# KiCad board raven.kicad_pcb (continued)
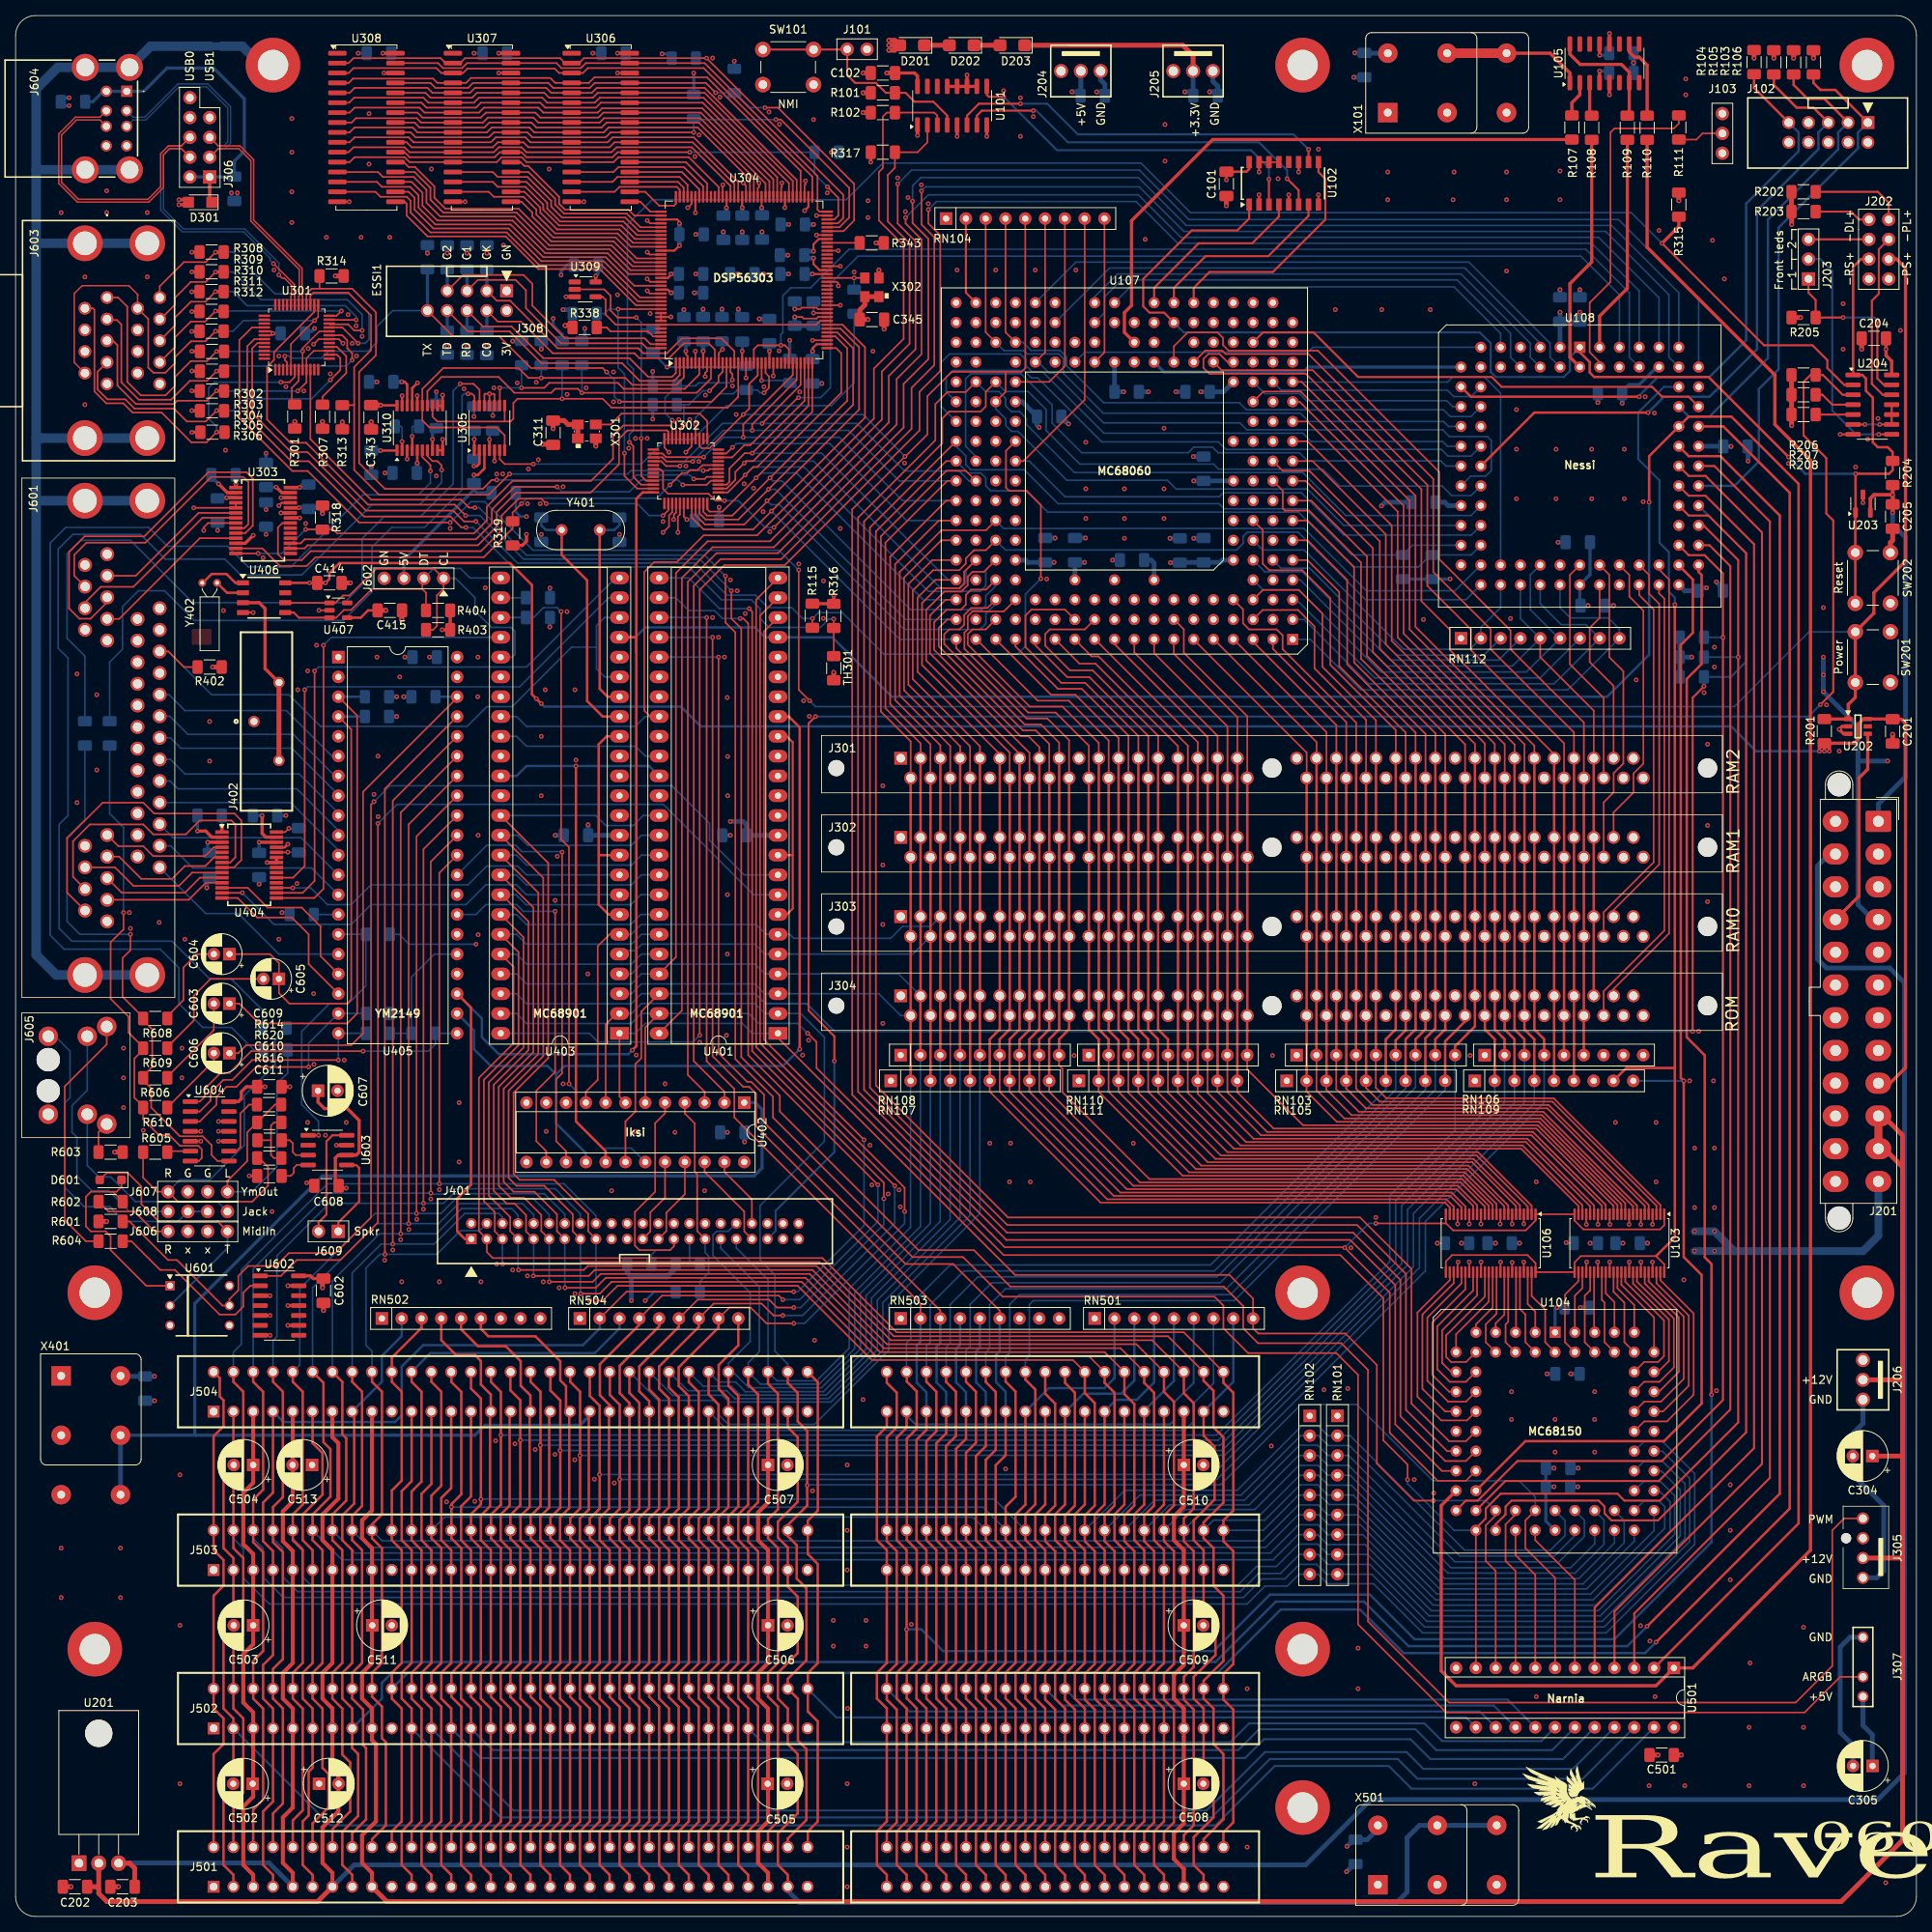
[diagram p0: board, top side]
## Routing (per net, layer and track width the routed paths; a pad name or vN(x,y) marks a point on that pad's centre or on a via; arc(x,y) is an arc through that point) (continued)
  Bottom w0.203: R407.1 87.78,81.43 88.9,82.55 88.9,84.71 88.45,85.16 J401.31
/Local16/IDE:~{CS0}: length 12.4
  Top w0.203: 94.45,86.9 93.47,87.88 93.47,90.42 88.39,95.5 U402.22
/Local16/IDE:~{CS1}: length 9.6
  Top w0.203: 94.45,88.65 94.45,91.98 90.93,95.5 U402.23
/Local16/IDE:~{RDY}: length 31.8
  Top w0.203: U402.5 83.31,103.03 82.04,101.76 82.04,92.96 79.45,90.37 79.45,86.05 80.03,85.47 83.95,85.47 84.45,85.98 J401.27
  Bottom w0.203: J401.27 84.45,85.98 83.95,85.47 82.17,85.47 81.56,84.86 R406.2
/Local16/IDE:~{RD}: length 11.3
  Top w0.203: 82.45,86.9 83.47,87.92 83.47,90.27 85.85,92.65 U402.21
/Local16/IDE:~{WR}: length 11.1
  Top w0.203: U402.20 83.31,92.2 81.43,90.32 81.43,87.88 80.45,86.9
/Local16/MFP1:CD: length 72.1
  Top w0.203: v1(37.08,157.35) 37.08,134.75 35.59,133.25 U404.19
  Bottom w0.203: U403.23 76.07,169.16 64.64,157.73 37.46,157.73 v1(37.08,157.35)
/Local16/MFP1:CTS: length 76
  Top w0.203: v1(38.35,159.77) 38.35,132.84 36.81,131.3 U404.16
  Bottom w0.203: v1(38.35,159.77) 38.86,160.27 65.53,160.27 76.96,171.7
/Local16/MFP1:RI: length 60.9
  Top w0.203: v1(39.5,163.07) 39.5,131.83 38.32,130.65 U404.15
  Bottom w0.203: U403.28 40.51,164.08 v1(39.5,163.07)
/Local16/MFP1:SI: length 47.4
  Top w0.203: v1(35.56,131.95) 33.47,131.95
  Bottom w0.203: v1(35.56,131.95) 37.85,131.95 40.01,129.79 43.05,129.79 45.59,132.33 58.04,132.33 60.45,134.75 64.39,134.75 65.53,133.6 U403.9
/Local16/MFP1:SO: length 55.3
  Top w0.203: v1(29.08,131.32) 29.06,131.3 U404.13
  Bottom w0.203: v1(29.08,131.32) 33.15,127.25 43.05,127.25 45.59,129.79 57.79,129.79 60.32,132.33 64.26,132.33 65.53,131.06 U403.8
/Local16/MFP1:~{IEO}: length 21.4
  Bottom w0.203: U401.34 80.77,148.84 79.5,150.11 65.53,150.11 64.26,151.38 U403.33
/Local16/YM:BC1: length 56
  Top w0.203: v1(70.1,136.53) 70.1,108.15 69.34,107.38 69.34,99.44 70.61,98.17 U402.15
  Bottom w0.203: U405.29 60.45,137.41 64.13,137.41 64.95,136.6 70.03,136.6 v1(70.1,136.53)
/Local16/YM:BDIR: length 47.1
  Top w0.203: v1(69.22,128.93) 69.22,108.33 66.8,105.92 66.8,99.44 68.07,98.17 U402.14
  Bottom w0.203: U405.27 59.05,128.52 60.32,129.79 64.26,129.79 65.13,128.93 v1(69.22,128.93)
/Local16/YM:DTR: length 21.7
  Top w0.203: U405.17 39.12,123.19 39.12,127 36.7,129.41 32.32,129.41 29.79,131.95 26.47,131.95
/Local16/YM:RTS: length 22.2
  Top w0.203: U404.14 28.48,130.65 30.99,128.14 35.43,128.14 37.59,125.98 37.59,122.17 U405.18
/Local32/AUDIO_ADC_L: length 103.6
  Top w0.203: v1(57.02,196.6) 58.76,196.6 59.52,195.83 59.52,193.95
  Bottom w0.203: C333.1 8.89,161.67 6.6,163.96 6.6,174.75 8.38,176.53 14.73,176.53 22.73,168.53 42.16,168.53 44.45,170.82 44.45,176.74 47.29,179.58 51.94,179.58 56.13,183.77 56.13,195.71 v1(57.02,196.6)
/Local32/AUDIO_ADC_R: length 86.6
  Top w0.203: 58.87,193.95 58.87,195.01 58.55,195.33 v1(58.04,195.33)
  Bottom w0.203: C334.1 12.06,160.91 13.72,162.56 13.72,168.02 15.75,170.05 19.11,170.05 22.92,166.24 42.04,166.24 45.72,169.93 45.72,175.64 48.26,178.18 52.45,178.18 57.28,183.01 57.28,195.07 57.53,195.33 v1(58.04,195.33)
/Local32/PCAP: length 3.2
  Top w0.203: U304.46 v1(102.36,205.69)
  Bottom w0.203: v1(102.36,205.69) C338.2
/Local32/UART1:CTSB: length 58.7
  Top w0.203: U302.23 83.73,190.46 83.57,190.63 78.49,190.63 77.41,189.55 77.41,186.28 73.75,182.63 64.2,182.63 61.72,180.15 61.72,178.31 59.31,175.9 37.46,175.9 37.07,175.5 U303.16
/Local32/UART1:RTSB: length 67.4
  Top w0.203: R318.2 40.77,177.9 41.25,177.42 58.8,177.42 60.45,179.07 60.45,180.85 63.75,184.15 73.8,184.15 76.64,186.99 76.64,189.92 77.98,191.26 83.95,191.26 84.23,190.98 U302.22 ; v1(31.12,174.85) U303.14 ; v1(37.21,177.93) 39.34,177.93
  Bottom w0.203: v1(37.21,177.93) 34.13,174.85 v1(31.12,174.85)
/Local32/UART1:RXB: length 60.3
  Top w0.203: v1(85.6,183.64) 88.65,183.64 89.17,184.17 U302.4 ; v1(69.47,183.39) 64.01,183.39 61.09,180.47 61.09,178.69 59.05,176.66 37.08,176.66 36.57,176.15 U303.17
  Bottom w0.203: v1(69.47,183.39) 70.1,182.75 78.74,182.75 80.26,184.28 84.96,184.28 v1(85.6,183.64)
/Local32/UART1:TXB: length 69.4
  Top w0.203: U302.8 88.13,186.17 87.5,185.55 86.53,185.55 86.15,185.17 85.47,185.17 v1(83.95,183.64) ; v1(64.9,181.23) 63.75,180.09 R319.2 63.75,178.05 60.07,174.37 38.48,174.37 37.34,173.23 33.91,173.23 31.64,175.5 U303.13
  Bottom w0.203: v1(64.9,181.23) 65.6,181.93 82.23,181.93 v1(83.95,183.64)
/Local32/UART1_CLK: length 17.5
  Top w0.203: 74.43,191.39 76.33,191.39 77.73,192.79 87.76,192.79 88.73,191.81 U302.13
/Local32/UART1_CONN: length 62.1
  Top w0.203: U302.38 83.73,180.38 v1(83.06,179.71) ; v1(68.07,181.23) 67.44,181.86 64.52,181.86 62.36,179.71 62.36,177.8 59.69,175.13 37.85,175.13 36.7,173.99 34.42,173.99 33.66,174.75 33.66,178.18 34.22,178.75 35.25,178.75
  Bottom w0.203: v1(68.07,181.23) 79.75,181.23 81.27,179.71 v1(83.06,179.71)
/Local32/~{CKBD_BL}: length 10.2
  Top w0.203: U301.16 41.24,201.33 42.42,200.15 42.42,197.99 39.37,194.95 R307.2
/Misc/AUDIO_SPK_M: length 14.9
  Top w0.254: J609.2 38.86,89.03 39.88,90.04 39.88,99.44 40.64,100.2 U603.8
/Misc/AUDIO_SPK_P: length 11
  Top w0.254: U603.5 43.69,96.39 44.07,96.01 44.07,91.69 41.4,89.03 J609.1
/Misc/SHIELD: length 205.8
  Bottom w1.219: 2.64,189.64 3.35,189.64 3.36,189.64 J603.MH4 J603.MH2 ; 2.64,189.64 2.64,181.61 ; 2.64,189.64 2.64,214.53 ; J603.MH1 J603.MH3 2.74,214.63 2.64,214.53 ; 2.64,224.03 2.64,214.53 ; 2.64,224.03 2.64,234.44 5.4,237.2 J604.3 J604.1 17.31,239.9 NT601.2 ; 2.64,224.03 2.68,224.06 J604.4 J604.2 ; 2.64,181.61 J601.MH3 J601.MH1 ; 2.64,181.61 2.64,123.34 5.21,120.77 J601.MH4 J601.MH2
/Power/HDDLED+: length 7.3
  Top w0.254: R203.2 235.46,218.69 236.47,217.68 J202.1
/Power/HDDLED-: length 7.7
  Top w0.254: J203.3 J202.3
/Power/PWRLED+: length 12.1
  Top w0.254: J202.2 240.28,219.84 238.89,221.23 R202.2
/Power/PWRLED-: length 22.6
  Top w0.254: J202.4 239.01,213.87 239.01,208.15 238.12,207.26 238.12,196.6 239.52,195.2 U204.12
/~{IRQ_NMI}: length 30.3
  Top w0.254: 106.64,239.49 SW101.2 SW101.2 ; J101.2 106.68,236.22 107.7,235.2 110.36,235.2 111.63,233.93 R101.2 114.17,233.93 115.32,232.79 117.73,232.79 119.51,231.01 U101.4
A0: length 264.6
  Top w0.203: U104.20 183.64,59.69 178.36,64.97 178.36,82.42 172.08,88.7 127.21,88.7 109.6,106.31 109.6,178.18 U107.L18
  Bottom w0.203: 185.42,175.9 179.17,175.9 R116.2 171.4,174.65 165.48,180.57 155.04,180.57 154.38,181.23 133.73,181.23 129.39,185.57 122.55,185.57 121.89,186.23 121.89,187.35 120.65,188.6 U107.L18
A1: length 266.1
  Top w0.203: U107.K18 119.38,186.69 110.36,177.67 110.36,106.6 127.3,89.66 172.47,89.66 179.07,83.06 179.07,65.79 183.9,60.96 186.05,60.96 U104.19
  Bottom w0.203: R117.2 186.71,174.65 186.72,174.65 187.96,175.9 ; 181.51,174.65 179.96,173.1 171.6,173.1 164.57,180.14 132.41,180.14 129.67,182.88 125.09,182.88 124.46,183.52 124.46,184.53 123.82,185.17 122.17,185.17 U107.K18
A2: length 317
  Top w0.203: U302.28 82.82,186.67 83.44,186.06 v1(85.22,186.06) ; U107.J17 121.89,185.45 119.41,185.45 111,177.04 111,154.56 114.82,150.74 J301.2 ; U304.33 100.7,196.46 v1(95.76,191.52)
  Top w0.305: J501.60 96.52,10.92 97.79,12.19 97.79,26.92 96.52,28.19 J502.60 96.52,31.24 97.79,32.51 97.79,47.24 96.52,48.51 96.52,50.95 97.79,52.22 97.79,67.06 96.52,68.33 J504.60 ; 114.82,107.2 J304.2 J301.2
  Bottom w0.203: J401.35 92.45,85.75 96.52,81.69 J504.60 97.66,68.71 102.75,68.71 106.93,72.89 106.93,80.52 114.81,88.39 RN107.2 ; U107.J17 122.3,184.15 121.03,185.42 114.05,185.42 107.95,191.52 v1(95.76,191.52) 90.68,191.52 v1(85.22,186.06) ; J304.2 113.55,115.56 110.74,118.36 U401.3 96.06,118.36 94.8,119.62 80.26,119.62 79,118.36 U403.3
A3: length 316.3
  Top w0.203: U107.J18 119.5,184.15 111.58,176.23 111.58,154.99 116.09,150.48 J301.3 ; U304.32 100.2,197.1 94.49,191.39 v1(94.49,190.63) ; U302.27 82.96,187.17 83.49,186.64 v1(86.87,186.64)
  Top w0.305: J301.3 J304.3 ; 93.98,8.92 93.98,10.95 95.25,12.22 95.25,26.95 93.98,28.22 93.98,31.27 95.25,32.54 95.25,46.81 93.98,48.08 93.98,51.87 95.25,53.14 95.25,66.95 93.98,68.22 93.98,69.88 ; RN108.2 116.08,118.09
  Bottom w0.203: RN108.2 116.08,88.52 107.65,80.09 107.65,72.85 103.07,68.28 95.55,68.28 J504.59 93.98,71.02 95.4,72.44 95.4,80.77 90.45,85.72 J401.33 ; U403.4 79,120.9 80.26,122.16 94.86,122.16 96.12,120.9 U401.4 113.28,120.9 J304.3 ; 86.87,186.69 90.81,190.63 v1(94.49,190.63) 106.86,190.63 113.34,184.15 U107.J18
A4: length 323.5
  Top w0.203: v1(93.34,189.74) 93.34,191.39 99.7,197.75 U304.31 ; U107.H18 119.38,181.61 112.19,174.42 112.19,155.52 117.36,150.36 J301.4 ; v1(88.26,187.2) 83.44,187.2 82.97,187.67 U302.26
  Top w0.305: 91.44,69.8 91.44,68.05 92.71,66.78 92.71,52.58 91.44,51.31 91.44,48.46 92.71,47.19 92.71,32.46 91.44,31.19 91.44,28.14 92.71,26.87 92.71,12.14 91.44,10.87 91.44,8.84 ; 117.36,107.2 J304.4 J301.4
  Bottom w0.203: U107.H18 113.79,181.61 105.66,189.74 v1(93.34,189.74) 90.81,189.74 v1(88.26,187.2) ; J401.36 91.44,87.88 89.92,87.88 89.46,87.43 89.46,84.79 94.23,80.01 94.23,73.76 91.44,70.97 J504.58 ; 77.9,123.88 79.49,123.88 80.34,124.73 94.82,124.73 96.1,123.44 U401.5 115.09,123.44 J303.4 ; RN107.3 117.35,88.9 108.38,79.93 108.38,72.82 103.38,67.82 94.06,67.82 92.02,69.85
A5: length 307.6
  Top w0.203: U107.G18 118.44,179.07 112.83,173.45 112.83,156.03 118.63,150.23 J301.5 ; U403.6 76.2,125.98 74.68,124.46 74.68,107.32 73.15,105.79 U402.9 ; U302.11 91.19,187.67 v1(91.97,188.45)
  Top w0.305: RN108.3 118.62,118.09 ; 88.9,8.84 88.9,10.87 90.17,12.14 90.17,26.87 88.9,28.14 88.9,31.19 90.17,32.46 90.17,47.19 88.9,48.46 88.9,51.05 90.17,52.32 90.17,65.68 88.9,66.95 88.9,69.8 ; J301.5 J304.5
  Bottom w0.203: RN108.3 118.62,89.15 109.09,79.63 109.09,72.77 103.63,67.31 93.62,67.31 92.38,68.55 90.2,68.55 J504.57 ; U403.6 78.98,125.98 80.24,127.24 95,127.24 96.26,125.98 U401.6 99.31,125.98 99.82,125.48 112.27,125.48 113.79,127 117.37,127 J303.5 ; U107.G18 114.3,179.07 104.43,188.94 92.46,188.94 v1(91.97,188.45)
A6: length 280.2
  Top w0.152: J301.6 J304.6 119.9,107.2
  Top w0.203: J301.6 119.9,150.14 113.41,156.63 113.41,172.47 118.77,177.83 124.49,177.83 U107.G16
  Top w0.305: 86.36,69.8 86.36,68.53 87.63,67.26 87.63,52.32 86.36,51.05 86.36,48.46 87.63,47.19 87.63,32.46 86.36,31.19 86.36,28.14 87.63,26.87 87.63,12.14 86.36,10.87 86.36,8.84
  Bottom w0.203: U108.34 184.66,170.05 173.28,170.05 165.28,178.05 126.75,178.05 U107.G16 ; J504.56 88.19,68.02 91.82,68.02 92.96,66.88 103.96,66.88 109.8,72.72 109.8,79.32 119.89,89.41 RN107.4
A7: length 209.9
  Top w0.203: U107.F18 118.75,176.53 113.97,171.75 113.97,157.3 121.17,150.1 J301.7
  Top w0.305: RN108.4 121.16,118.09 ; 83.79,8.84 83.79,10.87 85.06,12.14 85.06,26.87 83.79,28.14 83.79,31.19 85.06,32.46 85.06,47.19 83.79,48.46 83.79,51.02 85.06,52.29 85.06,66.6 83.79,67.87 83.79,69.8 ; J301.7 J304.7
  Bottom w0.203: J504.55 86.23,67.44 91.24,67.44 92.25,66.42 104.27,66.42 110.54,72.69 110.54,79.04 121.16,89.66 RN108.4
A8: length 212
  Top w0.203: J301.8 122.44,150.1 114.53,158.01 114.53,170.92 117.6,173.99 U107.E18
  Top w0.305: J301.8 J304.8 122.44,107.2 ; 81.28,8.86 81.28,10.9 82.55,12.17 82.55,26.9 81.28,28.17 81.28,31.22 82.55,32.49 82.55,47.22 81.28,48.49 81.28,51.05 82.55,52.32 82.55,66.32 81.28,67.59 81.28,69.82
  Bottom w0.203: J504.54 84.28,66.85 90.65,66.85 91.52,65.99 104.6,65.99 111.25,72.64 111.25,78.74 122.43,89.92 RN107.5
A9: length 292.9
  Top w0.203: U107.F16 124.46,175.26 122.94,175.26 121.89,174.22 121.89,173.53 121.06,172.69 117.7,172.69 115.09,170.08 115.09,158.72 123.71,150.1 J301.9
  Top w0.305: RN108.5 123.7,118.09 ; 78.74,8.84 78.74,10.87 80.01,12.14 80.01,26.87 78.74,28.14 78.74,31.19 80.01,32.46 80.01,47.19 78.74,48.46 78.74,51.05 80.01,52.32 80.01,65.89 78.74,67.16 78.74,69.8 ; J301.9 J304.9
  Bottom w0.203: U107.F16 126.97,175.29 156.62,175.29 157.48,176.15 157.48,177.04 158.01,177.57 164.52,177.57 173.18,168.91 186.05,168.91 U108.33 ; RN108.5 123.7,90.17 112.01,78.49 112.01,72.64 102.49,63.12 91.43,63.12 90.17,64.38 90.17,65.53 89.51,66.19 82.4,66.19 J504.53
A10: length 362.8
  Top w0.203: J301.61 194.83,150.18 179.58,165.43 179.58,182.25 164.97,196.85 U107.P01
  Top w0.305: J301.61 J304.61 194.83,113.78 196.09,112.52 RN106.4 ; 76.23,69.8 76.23,66.9 77.5,65.63 77.5,52.3 76.23,51.03 76.23,48.46 77.5,47.19 77.5,32.46 76.23,31.19 76.23,28.14 77.5,26.87 77.5,12.14 76.23,10.87 76.23,8.84
  Bottom w0.203: v1(77.5,56.06) 154.1,56.06 180.85,82.8 180.85,89.15 196.09,104.39 RN106.4 ; U108.36 190.5,195.4 188.42,197.49 184.35,197.49 183.69,196.82 163.86,196.82
A11: length 317.8
  Top w0.203: U107.N03 160.05,195.61 164.86,195.61 178.82,181.65 178.82,165.1 193.56,150.36 J301.60
  Top w0.305: J301.60 J302.60 J303.60 J304.60 193.56,113.78 194.82,112.52 RN109.4 ; J501.51 73.66,10.92 74.93,12.19 74.93,26.92 73.66,28.19 J502.51 73.66,31.24 74.93,32.51 74.93,47.24 73.66,48.51 73.66,51.05 74.93,52.32 74.93,65.51 73.66,66.78 J504.51
  Bottom w0.203: v1(74.9,56.67) 74.93,56.69 153.56,56.69 180.09,83.21 180.09,89.54 194.82,104.27 RN109.4
A12: length 310.8
  Top w0.203: U107.N01 164.72,194.31 178.05,180.98 178.05,164.57 192.29,150.33 J301.59
  Top w0.305: J301.59 J304.59 192.29,113.78 193.55,112.52 RN106.3 ; 71.15,8.86 71.15,10.9 72.42,12.17 72.42,26.9 71.15,28.17 71.15,31.22 72.42,32.49 72.42,47.22 71.15,48.49 71.15,51.05 71.86,51.77 71.86,51.78 72.42,52.34 72.42,67.31 71.15,68.58 71.15,69.82
  Bottom w0.203: RN106.3 193.55,104.39 179.32,90.17 179.32,83.36 155.12,59.16 72.42,59.16 v1(72.39,59.13)
A13: length 309.5
  Top w0.203: J301.58 191.02,150.36 177.29,164.08 177.29,180.21 165.73,191.77 U107.M01
  Top w0.305: 68.61,8.89 68.61,10.92 69.88,12.19 69.88,26.92 68.61,28.19 68.61,31.24 69.88,32.51 69.88,47.24 68.61,48.51 68.61,51.16 69.88,52.43 69.88,66.19 68.61,67.46 68.61,69.85 ; RN109.3 192.28,112.52 191.02,113.78 J304.58 J301.58
  Bottom w0.203: RN109.3 192.28,104.39 178.56,90.68 178.56,83.57 154.76,59.77 v1(69.85,59.77)
A14: length 307.6
  Top w0.203: J301.57 189.75,150.41 176.53,163.63 176.53,178.44 165.73,189.23 U107.L01
  Top w0.305: RN106.2 191.01,112.52 189.75,113.78 J304.57 J301.57 ; 66.07,8.89 66.07,10.92 67.34,12.19 67.34,26.92 66.07,28.19 66.07,31.24 67.34,32.51 67.34,47.24 66.07,48.51 66.07,51.38 67.34,52.65 67.34,60.43 v1(67.31,60.45) 67.34,60.48 67.34,67.31 66.07,68.58 66.07,69.85
  Bottom w0.203: RN106.2 191.01,104.39 177.8,91.19 177.8,83.72 154.53,60.45 v1(67.31,60.45)
A15: length 306.1
  Top w0.203: J301.56 188.48,150.46 175.77,163.17 175.77,177.29 166.37,186.69 U107.K01
  Top w0.305: 63.47,8.86 63.47,10.9 64.74,12.17 64.74,26.9 63.47,28.17 63.47,31.22 64.74,32.49 64.74,47.22 63.47,48.49 63.47,51.49 64.74,52.76 v1(64.74,61.09) 64.74,66.22 63.47,67.49 63.47,69.82 ; RN109.2 189.74,112.52 188.48,113.78 J304.56 J301.56
  Bottom w0.203: v1(64.74,61.09) 154.25,61.09 177.04,83.87 177.04,91.82 189.74,104.52 RN109.2
A16: length 307.3
  Top w0.203: J301.55 187.21,150.41 175.01,162.61 175.01,176.4 165.96,185.45 162.53,185.45 U107.K02
  Top w0.305: J301.55 J304.55 187.21,114.19 184.66,111.63 RN103.9 ; 60.99,8.86 60.99,10.9 62.26,12.17 62.26,26.9 60.99,28.17 60.99,31.22 62.26,32.49 62.26,47.22 60.99,48.49 60.99,51.54 62.26,52.81 62.26,67.28 60.99,68.55 60.99,69.82
  Bottom w0.203: RN103.9 184.66,100.84 176.28,92.46 176.28,83.97 154.05,61.75 v1(62.26,61.75)
A17: length 362.6
  Top w0.203: U107.J01 165.48,184.15 174.12,175.51 174.12,162.18 185.94,150.36 J301.54
  Top w0.305: 129.54,69.88 129.54,68.86 130.81,67.59 130.81,52.86 129.54,51.59 129.54,48.29 130.81,47.02 130.81,32.54 129.54,31.27 129.54,27.97 130.81,26.7 130.81,12.22 129.54,10.95 129.54,8.92 ; 58.42,8.86 58.42,10.9 59.69,12.17 59.69,26.9 58.42,28.17 58.42,31.22 59.69,32.49 59.69,47.22 58.42,48.49 58.42,51.59 59.69,52.86 59.69,66.45 58.42,67.72 58.42,69.82 ; RN105.9 183.39,112.27 185.94,114.82 J304.54 J301.54
  Bottom w0.203: J503.88 125.53,53.54 59.72,53.54 v1(59.69,53.52) ; RN105.9 183.39,106.05 156.34,78.99 130.56,78.99 130.05,78.49 130.05,71.91 129.54,71.4 J504.88
A18: length 361
  Top w0.203: U107.H01 166.21,181.61 173.35,174.47 173.35,161.7 183.4,151.65 J301.52
  Top w0.305: 55.91,8.86 55.91,10.9 57.18,12.17 57.18,26.9 55.91,28.17 55.91,31.22 57.18,32.49 57.18,47.22 55.91,48.49 v1(55.91,52.53) 55.91,52.88 57.18,54.15 57.18,67.28 55.91,68.55 55.91,69.82 ; 127,8.92 127,10.95 128.27,12.22 128.27,26.7 127,27.97 127,31.27 128.27,32.54 128.27,47.02 127,48.29 127,52.55 128.27,53.82 128.27,67.34 127,68.61 127,69.88 ; RN103.8 182.12,112.52 183.4,113.8 J304.52 J301.52
  Bottom w0.203: 127,49.61 124.1,52.5 55.93,52.5 v1(55.91,52.53) ; RN103.8 182.12,106.05 155.83,79.76 128.78,79.76 127.53,78.51 127.53,72.31 127,71.78 J504.87
A19: length 366
  Top w0.203: J301.51 182.13,151.78 172.59,161.32 172.59,173.67 165.93,180.34 162.84,180.34 162.56,180.62 162.56,182.88 U107.J02
  Top w0.305: RN105.8 180.85,112.65 182.13,113.93 J304.51 J301.51 ; J504.43 53.34,68.58 54.61,67.31 54.61,55.25 53.34,53.98 53.34,48.51 54.61,47.24 54.61,32.51 53.34,31.24 J502.43 53.34,28.19 54.61,26.92 54.61,12.19 53.34,10.92 J501.43 ; 124.46,8.86 124.46,10.9 125.73,12.17 125.73,26.64 124.46,27.91 124.46,31.22 125.73,32.49 125.73,46.96 124.46,48.23 124.46,58.57 125.73,59.84 125.73,67.28 124.46,68.55 124.46,69.82
  Bottom w0.203: RN105.8 180.85,106.05 155.32,80.52 127,80.52 124.94,78.46 124.94,72.85 124.46,72.36 J504.86 ; J503.86 122.76,51.23 55.04,51.23 J503.43
A20: length 223.1
  Top w0.203: U107.G01 165.73,179.07 171.7,173.1 171.7,160.86 180.86,151.7 J301.50
  Top w0.305: J501.85 121.92,10.92 123.19,12.19 123.19,26.67 121.92,27.94 J502.85 121.92,31.24 123.19,32.51 123.19,46.99 121.92,48.26 121.92,59.49 123.19,60.76 123.19,67.31 121.92,68.58 J504.85 ; RN103.7 179.58,112.52 180.86,113.8 J304.50 J301.50
  Bottom w0.203: RN103.7 179.58,106.35 154.51,81.28 125.22,81.28 122.45,78.51 122.45,73.13 121.92,72.59 J504.85
A21: length 221.4
  Top w0.203: U107.F01 165.73,176.53 170.81,171.45 170.81,160.63 179.59,151.85 J301.49
  Top w0.305: RN105.7 178.31,112.52 179.59,113.8 J304.49 J301.49 ; 119.35,69.85 119.35,68.58 120.62,67.31 120.62,61.62 119.35,60.35 119.35,48.26 120.62,46.99 120.62,32.51 119.35,31.24 119.35,27.94 120.62,26.67 120.62,12.19 119.35,10.92 119.35,8.89
  Bottom w0.203: RN105.7 178.31,106.22 154.13,82.04 123.44,82.04 119.89,78.49 119.89,73.53 119.38,73.03 J504.84
A22: length 219.6
  Top w0.203: U107.E01 165.71,173.99 169.8,169.9 169.8,160.38 178.32,151.85 J301.48
  Top w0.305: J504.83 116.84,68.58 118.11,67.31 118.11,62.23 116.84,60.96 116.84,48.26 118.11,46.99 118.11,32.51 116.84,31.24 J502.83 116.84,27.94 118.11,26.67 118.11,12.19 116.84,10.92 J501.83 ; RN103.6 177.04,112.4 178.32,113.68 J304.48 J301.48
  Bottom w0.203: J504.83 116.84,73.15 117.32,73.63 117.32,78.46 121.67,82.8 153.8,82.8 177.04,106.05 RN103.6
A23: length 229
  Top w0.203: J301.47 177.05,152.16 168.66,160.55 168.66,169.09 165.05,172.69 160.81,172.69 159.99,173.51 159.99,177.83 U107.G03
  Top w0.305: 114.33,69.88 114.33,68.61 115.6,67.34 115.6,62.56 114.33,61.29 114.33,48.29 115.6,47.02 115.6,32.54 114.33,31.27 114.33,27.97 115.6,26.7 115.6,12.22 114.33,10.95 114.33,8.92 ; J301.47 J304.47 177.05,113.8 175.77,112.52 RN105.6
  Bottom w0.203: J504.82 114.3,73.56 114.83,74.09 114.83,78.51 119.89,83.57 153.29,83.57 175.77,106.05 RN105.6
A24: length 94.4
  Top w0.203: RN112.5 195.58,161.54 202.45,154.67 J301.67
  Top w0.305: J301.67 J304.67
  Bottom w0.203: U107.D01 164.8,171.45 175.84,160.4 192.02,160.4 RN112.5 193.04,166.5 U108.37
A25: length 43.5
  Bottom w0.203: U107.F03 159.99,175.29 165.3,175.29 178.03,162.56 186.56,162.56 RN112.2 187.96,165.35 190.5,167.89 U108.35
A26: length 35.2
  Bottom w0.203: RN112.3 188.34,161.8 177.16,161.8 166.01,172.95 162.33,172.95 U107.E02
A27: length 42.6
  Bottom w0.203: 164.31,168.91 174.35,158.88 195.58,158.88 RN112.7
A28: length 40.8
  Bottom w0.203: RN112.4 190.25,161.16 176.38,161.16 165.05,172.49 160.25,172.49 U107.E03
A29: length 57.1
  Bottom w0.203: U107.B01 165.3,166.37 173.56,158.12 197.36,158.12 RN112.8 201.45,165.71 198.27,165.71 195.58,168.4 U108.39
A30: length 57.5
  Bottom w0.203: U107.D03 160.02,170.18 164.57,170.18 175.11,159.64 193.8,159.64 RN112.6 ; U108.40 194.31,172.09 194.31,167.64 197.99,163.96
A31: length 60.2
  Bottom w0.203: U108.41 198.12,167.89 199.44,166.57 204.32,166.57 205.74,165.15 RN112.9 199.14,157.35 172.57,157.35 166.09,163.83 U107.A01
ADC_CLOCK: length 60
  Top w0.203: v1(66.42,186.31) 62.74,186.31 62.12,186.93 62.12,188.08
  Bottom w0.203: R345.1 107.57,196.72 104.65,193.8 91.19,193.8 86.87,189.48 83.44,189.48 80.26,186.31 v1(66.42,186.31)
AUDIO_DSP_L: length 147.3
  Top w0.203: U310.6 52.18,187.22 53.21,186.18 v1(53.21,185.42)
  Bottom w0.203: R615.2 30.57,111.16 27.69,114.05 24,114.05 20.95,117.09 20.95,121.67 18.54,124.08 6.22,124.08 4.45,125.86 4.45,176.19 6.43,178.18 17.06,178.18 19.48,175.77 27.17,175.77 29.84,173.1 35.31,173.1 44.58,182.37 51.69,182.37 53.21,183.9 v1(53.21,185.42)
AUDIO_DSP_R: length 144.7
  Top w0.203: U310.7 52.83,187.35 53.49,186.69 54.1,186.69 54.65,186.14 v1(54.65,185.55)
  Bottom w0.203: v1(54.65,185.55) 54.65,183.93 51.82,181.1 45.72,181.1 36.7,172.09 28.88,172.09 26.85,174.12 19.19,174.12 16.01,177.29 7.37,177.29 5.46,175.39 5.46,162.69 6.73,161.42 6.73,141.22 5.59,140.08 5.59,126.75 7.24,125.1 20.07,125.1 24.89,120.27 27.66,120.27 31.69,116.24 R607.2
AUDIO_OUT_L: length 37.8
  Top w0.203: R614.1 33.27,104.14 R620.2 29.72,100.58 29.72,96.9 27.18,94.36 J607.4
  Bottom w0.203: J607.4 30.35,92.96 33.53,96.14 33.53,106.81 34.91,108.19 R615.1
AUDIO_OUT_R: length 54.9
  Top w0.203: 31.24,97.28 32.38,96.14 32.38,93.73 30.35,91.69 20.83,91.69 J607.1 18.16,92.96 16.36,94.77 R605.1
  Bottom w0.203: 34.79,113.91 33.27,112.4 33.27,109.22 29.34,105.28 29.34,98.93 24.89,94.49 21.08,94.49 J607.1
AUDIO_YM_L: length 8.6
  Top w0.203: R614.2 29.97,104.14 28.83,103 28.83,98.66 28.34,98.17 27.37,98.17
AUDIO_YM_R: length 2.8
  Top w0.203: 22.42,98.17 19.58,98.17
AUDIO_YM_RAW_L: length 70.1
  Top w0.203: 16.36,115.34 13.72,117.98 13.72,122.94 14.73,123.95 v1(14.73,125.98) ; 16.36,107.8 17.53,108.97 17.53,113.79 16.36,114.96 ; 16.36,107.26 17.4,106.22 17.4,103.76 21.08,100.08 24,100.08 25.15,98.93 25.15,97.66 25.91,96.9 U604.8
  Bottom w0.203: C333.2 8.89,140.72 6.6,138.43 6.6,127.64 8.26,125.98 v1(14.73,125.98)
AUDIO_YM_RAW_R: length 63.4
  Top w0.203: 16.36,111.52 14.48,113.4 14.48,115.42 12.19,117.7 12.19,124.97 13.84,126.62 v1(13.84,128.78) ; U604.7 23.49,96.9 23.88,97.28 23.88,98.43 23.44,98.86 21.08,98.86 19.74,100.2 18.41,100.2 16.36,102.26 R610.1 ; 16.36,103.91 15.24,105.03 15.24,110.05 16.36,111.16
  Bottom w0.203: v1(13.84,128.78) 13.84,139.7 12.06,141.48 C334.2
BCLK: length 28.1
  Top w0.406: U108.83 203.2,205.3 206.76,208.85 206.76,227.9
BCLK_X2: length 30.8
  Top w0.406: 202.18,227.9 202.18,212.24 199.39,209.45 199.39,200.03 U108.2
BD0: length 27.1
  Top w0.203: U104.53 208.91,63.5 211.84,63.5 215.26,66.93 215.26,77.34 210.99,81.62 U103.47
BD1: length 22.1
  Top w0.203: U104.54 211.33,64.77 214.63,68.07 214.63,77.09 210.49,81.23 U103.46
BD2: length 23.6
  Top w0.203: U103.44 209.49,81.47 214,76.96 214,68.96 211.07,66.04 208.91,66.04 U104.55
BD3: length 18.8
  Top w0.203: U103.43 208.99,81.21 213.36,76.84 213.36,69.85 210.82,67.31 U104.56
BD4: length 20.6
  Top w0.203: U103.41 207.99,81.44 212.72,76.71 212.72,70.42 210.88,68.58 208.91,68.58 U104.57
BD5: length 15.3
  Top w0.203: 210.69,69.85 212.09,71.25 212.09,76.58 207.49,81.18 U103.40
BD6: length 17.5
  Top w0.203: U104.59 208.91,71.12 210.69,71.12 211.45,71.88 211.45,76.45 206.49,81.42 U103.38
BD7: length 12
  Top w0.203: U103.37 205.99,81.03 210.19,76.84 U104.60
BD8: length 8.6
  Top w0.203: U104.61 207.64,78.42 205.49,80.58 U103.36
BD9: length 11.4
  Top w0.203: U103.35 204.99,80.13 206.38,78.74 206.38,73.66 U104.62
BD10: length 8.2
  Top w0.203: U103.33 203.99,79.92 205.1,78.8 U104.63
BD11: length 10.9
  Top w0.203: U104.64 203.83,73.66 203.83,78.74 203.49,79.09 U103.32
BD12: length 7.6
  Top w0.203: U103.30 202.49,75.01
BD13: length 11.1
  Top w0.203: U103.29 201.99,80.32 201.29,79.63 201.29,73.66 U104.66
BD14: length 8.1
  Top w0.203: U103.27 200.99,80.59 200.03,79.63 U104.67
BD15: length 11.5
  Top w0.203: U103.26 200.49,81.49 198.75,79.76 198.75,73.66 U104.68
BD16: length 11.5
  Top w0.203: U106.47 194.48,79.59 196.22,77.85 196.22,73.66 U104.2
BD17: length 8.1
  Top w0.203: U106.46 193.98,78.56 194.94,77.6 U104.3
BD18: length 11.1
  Top w0.203: U106.44 192.98,77.91 193.67,77.22 193.67,73.66 U104.4
BD19: length 7.6
  Top w0.203: 192.48,75.01 U106.43
BD20: length 10.9
  Top w0.203: U106.41 191.48,76.29 191.13,75.95 191.13,73.66 U104.6
BD21: length 8.2
  Top w0.203: U106.40 190.98,77.19 189.86,76.07 U104.7
BD22: length 11.4
  Top w0.203: U104.8 188.59,73.66 188.59,75.95 189.98,77.33 U106.38
BD23: length 8.6
  Top w0.203: U106.37 189.48,78.1 187.32,75.95 U104.9
BD24: length 12
  Top w0.203: U106.36 188.98,78.87 184.78,74.68 U104.10
BD25: length 17.5
  Top w0.203: U106.35 188.48,79.51 183.51,74.55 183.51,71.76 184.15,71.12 186.05,71.12 U104.11
BD26: length 15.8
  Top w0.203: U106.33 187.48,79.66 183.01,75.18 183.01,70.99 184.15,69.85 U104.12
